# KiCad board PCMTestBoard.kicad_pcb (continued)
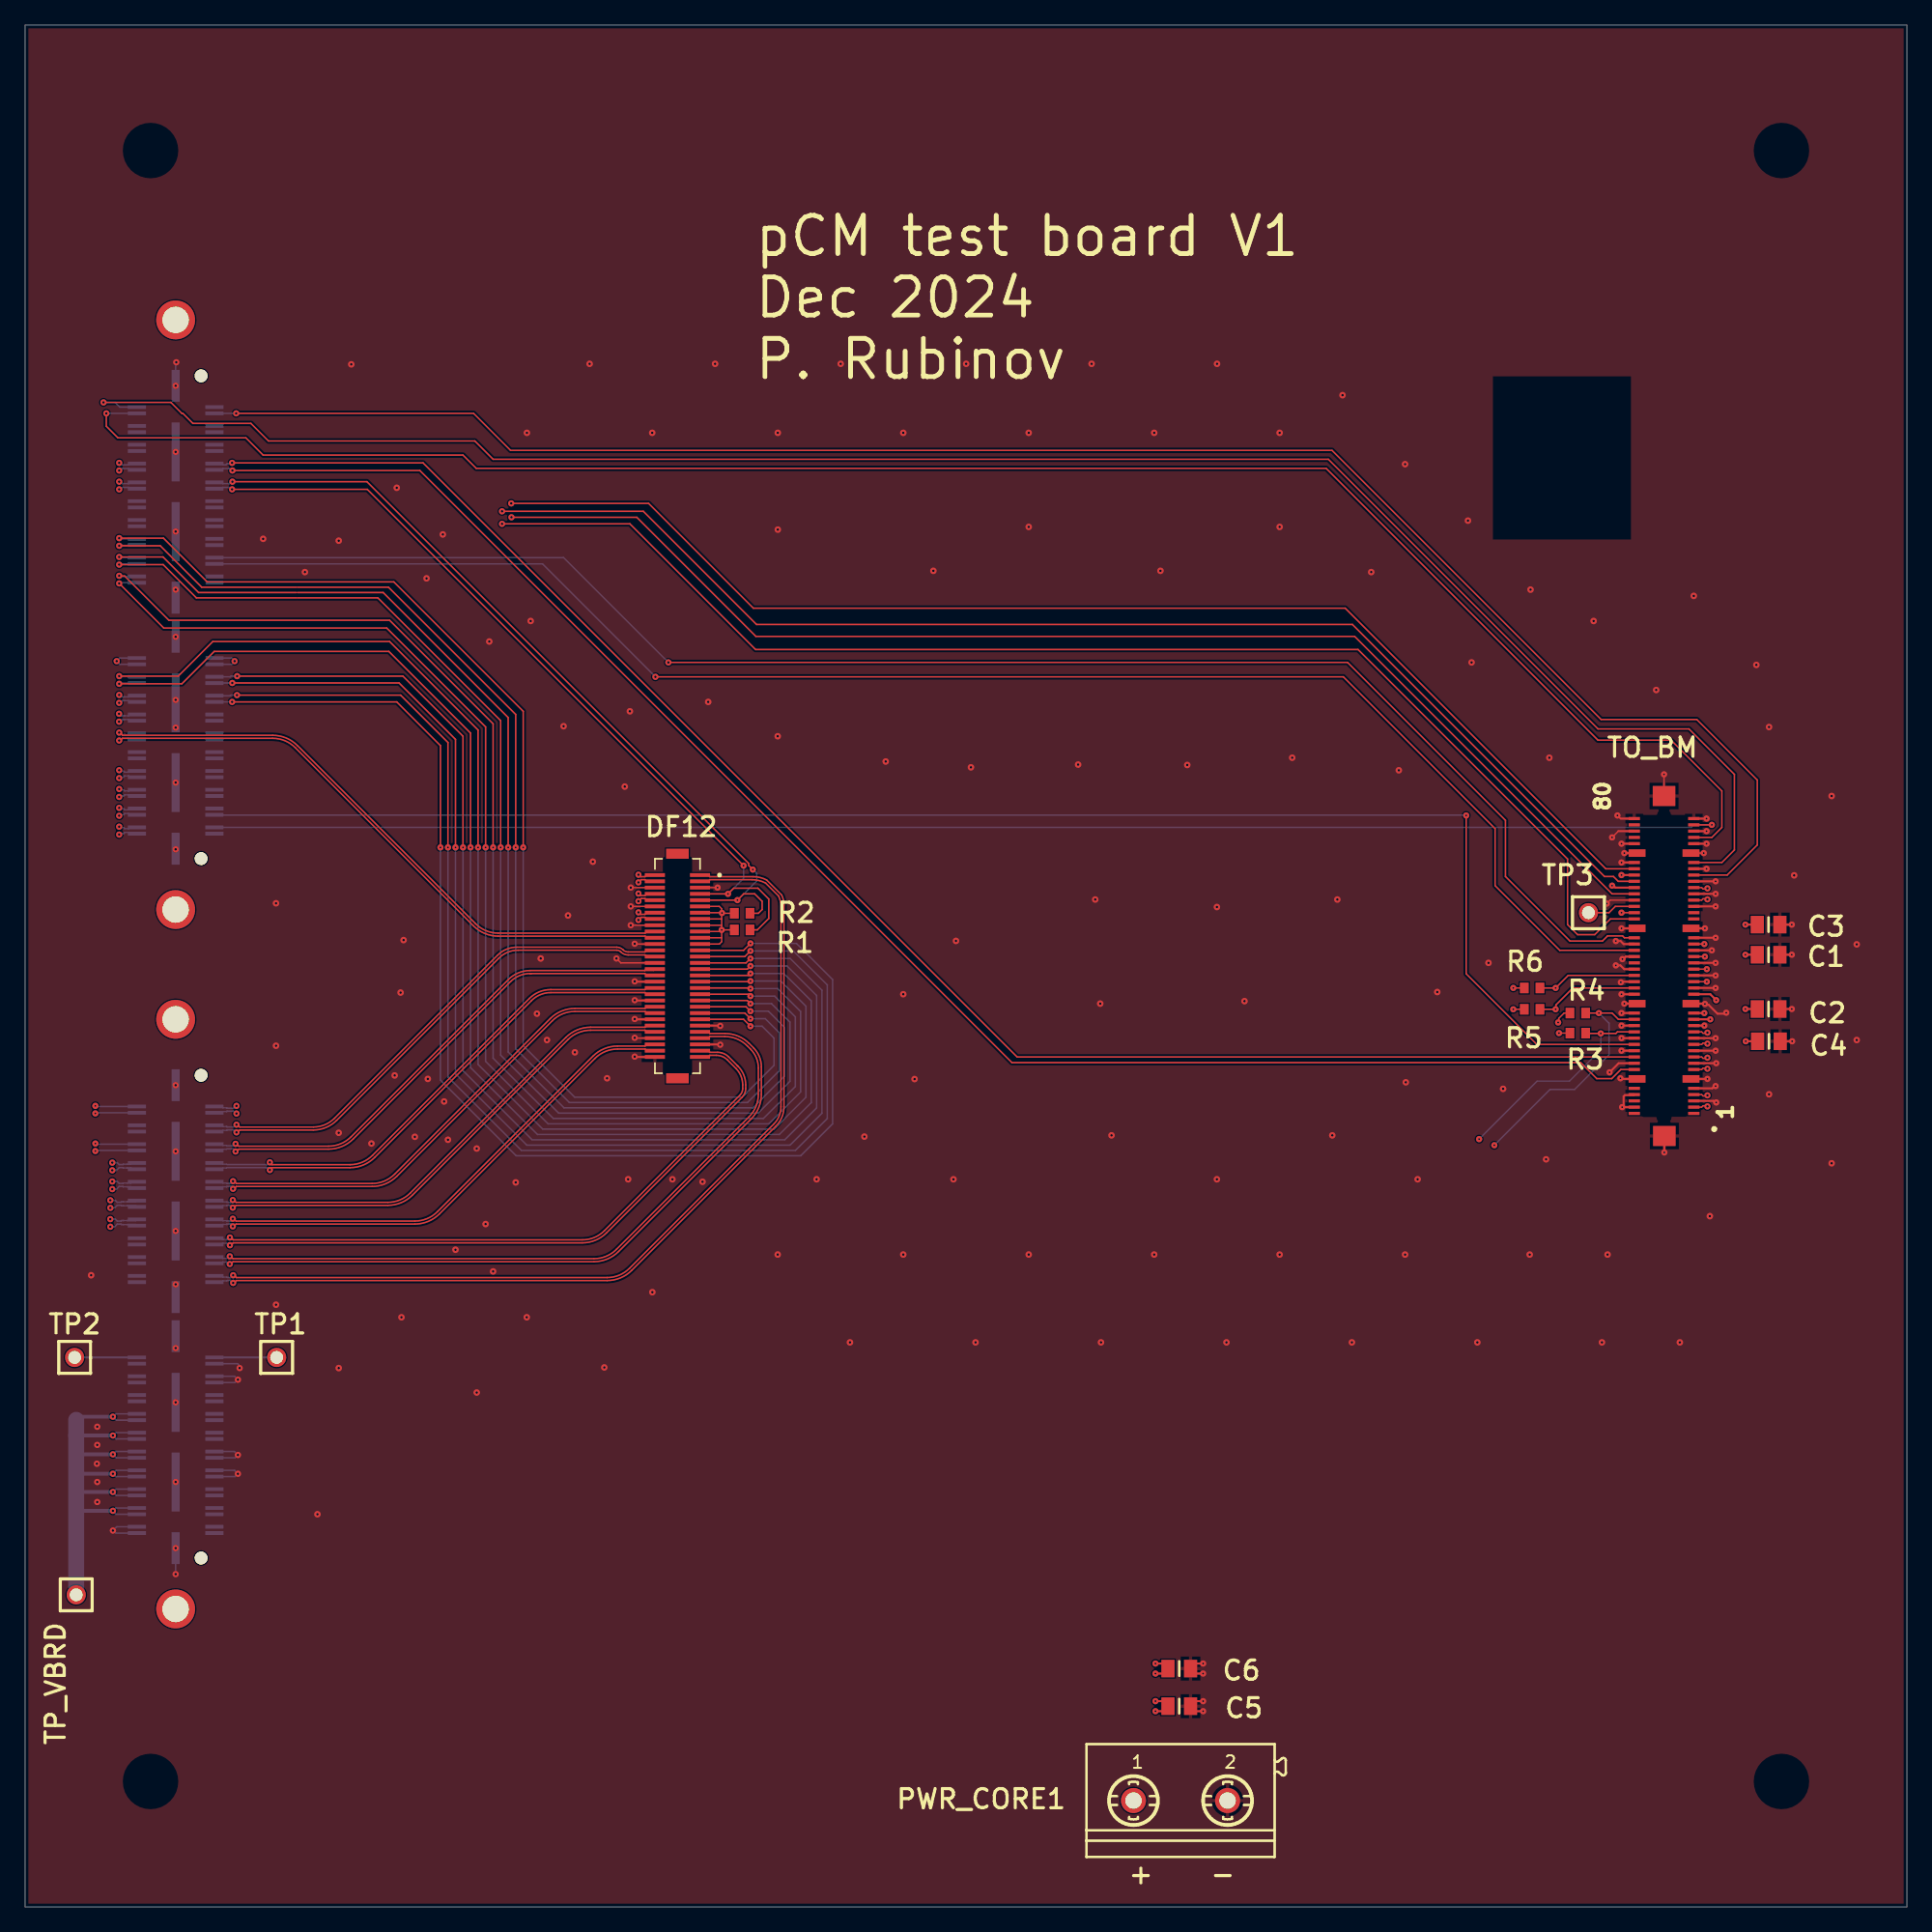
[diagram p0: board, top side]
## Routing (per net, layer and track width the routed paths; a pad name or vN(x,y) marks a point on that pad's centre or on a via; arc(x,y) is an arc through that point) (continued)
  Bottom Layer w0.12: v1(7.49,94.48) 7.59,94.48 7.76,94.65 NT_12_P.2
ECON_T_TRIG_OUT_1_1_N: length 121.7
  Top Layer1 w0.11: TO_BM.23 133.64,69.75 133.75,69.64 134.05,69.64 v1(134.1,69.69)
  Layer3_sig w0.101: 131.08,69.04 131.17,69.13 arc(131.47,69.33) 131.83,69.4 132.21,69.4 133.4,69.4 arc(133.78,69.48) v1(134.1,69.69) ; 131.08,69.04 126.16,64.12 arc(125.69,63.81) 125.13,63.7 125.12,63.71 17.2,63.71
  Layer3_sig w0.12: 17.2,63.71 arc(17.11,63.72) 17.03,63.78 arc(16.95,63.83) v1(16.85,63.85)
  Bottom Layer w0.12: NT_18_N.1 16.09,63.67 16.61,63.67 16.79,63.85 v1(16.85,63.85)
ECON_T_TRIG_OUT_1_1_P: length 121.6
  Top Layer1 w0.11: TO_BM.19 133.64,68.75 133.75,68.86 134.05,68.86 v1(134.1,68.81)
  Layer3_sig w0.101: 17.2,63.39 125.12,63.39 125.13,63.39 125.18,63.39 arc(125.81,63.52) 126.33,63.87 131.2,68.74 ; 131.2,68.74 131.29,68.83 arc(131.59,69.03) 131.95,69.1 132.34,69.1 132.34,69.1 133.22,69.1 133.4,69.1 arc(133.78,69.02) v1(134.1,68.81)
  Layer3_sig w0.12: 17.2,63.39 arc(17.11,63.37) 17.03,63.31 arc(16.95,63.26) v1(16.85,63.24)
  Bottom Layer w0.12: NT_18_P.1 16.09,63.43 16.61,63.43 16.8,63.24 v1(16.85,63.24)
FCMD_IN_1_N: length 132.2
  Top Layer1 w0.12: TO_BM.47 v2(133.85,76.75)
  Layer3_sig w0.12: v2(133.85,76.75) 133.85,76.73 133.58,76.45 122.15,76.45 arc(121.18,76.64) 120.36,77.19 110.94,86.61 arc(110.01,87.23) 108.92,87.45 7.87,87.45 arc(7.77,87.47) 7.68,87.53 arc(7.59,87.59) v1(7.5,87.6)
  Bottom Layer w0.12: 7.94,87.46 7.87,87.53 7.68,87.53 arc(7.58,87.55) v1(7.5,87.6)
FCMD_IN_1_P: length 132.3
  Top Layer1 w0.12: TO_BM.43 v2(133.9,75.75)
  Layer3_sig w0.12: v2(133.9,75.75) 133.88,75.75 133.5,76.13 122.15,76.13 arc(121.06,76.35) 120.13,76.97 110.71,86.39 arc(109.89,86.94) 108.92,87.13 7.87,87.13 arc(7.77,87.11) 7.68,87.05 arc(7.6,86.99) v1(7.5,86.98)
  Bottom Layer w0.12: 7.94,87.14 7.85,87.05 7.68,87.05 arc(7.58,87.03) v1(7.5,86.98)
HS_01_1_N: length 0.7
  Bottom Layer w0.12: NT_01_N.1 8.33,86.05 J_EXTEND.4
HS_01_1_P: length 0.7
  Bottom Layer w0.12: J_EXTEND.2 8.33,85.55 NT_01_P.1
HS_02_1_N: length 0.7
  Bottom Layer w0.12: NT_02_N.1 8.33,87.55 J_EXTEND.8
HS_02_1_P: length 0.7
  Bottom Layer w0.12: J_EXTEND.6 8.33,87.05 NT_02_P.1
HS_05_1_N: length 0.7
  Bottom Layer w0.12: 8.24,88.95 8.33,89.05 J_EXTEND.12
HS_05_1_P: length 0.7
  Bottom Layer w0.12: 8.24,88.65 8.33,88.55 J_EXTEND.10
HS_07_1_N: length 0.8
  Bottom Layer w0.12: J_COMPAT.64 8.52,57.8 8.43,57.71 8.43,57.7 NT_07_N.1
HS_07_1_P: length 0.8
  Bottom Layer w0.12: NT_07_P.1 8.43,57.4 8.43,57.39 8.52,57.3 J_COMPAT.62
HS_10_1_N: length 0.7
  Bottom Layer w0.12: J_EXTEND.16 8.33,90.55 NT_10_N.1
HS_10_1_P: length 0.7
  Bottom Layer w0.12: NT_10_P.1 8.33,90.05 J_EXTEND.14
HS_11_1_N: length 0.7
  Bottom Layer w0.12: NT_11_N.1 8.33,93.55 J_EXTEND.24
HS_11_1_P: length 0.7
  Bottom Layer w0.12: NT_11_P.1 8.33,93.05 J_EXTEND.22
HS_12_1_N: length 0.7
  Bottom Layer w0.12: J_EXTEND.28 8.33,95.05 8.24,94.95
HS_12_1_P: length 0.7
  Bottom Layer w0.12: 8.24,94.65 8.33,94.55 J_EXTEND.26
HS_14_1_N: length 0.7
  Bottom Layer w0.12: J_EXTEND.32 8.33,96.55 NT_14_N.1
HS_14_1_P: length 0.7
  Bottom Layer w0.12: NT_14_P.1 8.33,96.05 J_EXTEND.30
HS_21_1_N: length 0.8
  Bottom Layer w0.12: J_COMPAT.68 8.52,59.3 8.43,59.21 8.43,59.2 NT_21_N.1
HS_21_1_P: length 0.8
  Bottom Layer w0.12: NT_21_P.1 8.43,58.9 8.43,58.89 8.52,58.8 J_COMPAT.66
HS_22_1_N: length 0.8
  Bottom Layer w0.12: NT_22_N.1 8.82,56.21 J_COMPAT.60
HS_22_1_P: length 0.8
  Bottom Layer w0.12: J_COMPAT.58 8.82,55.89 NT_22_P.1
HS_24_1_N: length 0.7
  Bottom Layer w0.12: J_COMPAT.51 15.66,53.3 15.76,53.2
HS_24_1_P: length 0.7
  Bottom Layer w0.12: J_COMPAT.49 15.66,52.8 15.76,52.9
HS_27_1_N: length 0.7
  Bottom Layer w0.12: J_COMPAT.47 15.66,51.8 NT_27_N.2
HS_27_1_P: length 0.7
  Bottom Layer w0.12: J_COMPAT.45 15.66,51.3 NT_27_P.2
HS_28_1_N: length 0.8
  Bottom Layer w0.12: J_COMPAT.56 8.82,54.71 NT_28_N.1
HS_28_1_P: length 0.8
  Bottom Layer w0.12: J_COMPAT.54 8.82,54.39 NT_28_P.1
LOOP_BACK_1_N: length 56.2
  Layer8_sig w0.12: 6.8,56.2 9.2,56.2 arc(9.94,56.35) 10.56,56.76 12.51,58.72 arc(13.13,59.13) 13.85,59.27 15.88,59.27 arc(16.58,59.13) 17.19,58.73 23.53,52.38 arc(24.06,51.59) 24.25,50.65 24.25,50.52 arc(24.08,49.71) 23.62,49.02 22.03,47.42 arc(21.2,46.87) 20.23,46.68 6.66,46.68 arc(5.91,46.83) 5.27,47.26 3.44,49.09 arc(3.1,49.59) 2.98,50.19 2.98,50.94 arc(3.1,51.53) 3.44,52.04 5.91,54.51 arc(6.09,54.64) 6.31,54.68 6.55,54.68 6.69,54.82 v1(6.79,54.82)
  Bottom Layer w0.12: NT_28_N.2 7.69,54.71 7.65,54.67 7.35,54.67 7.19,54.82 6.8,54.82 ; NT_22_N.2 7.69,56.21 7.65,56.17 7.35,56.17 7.19,56.32 v1(6.8,56.32)
LOOP_BACK_1_P: length 54.3
  Layer8_sig w0.12: v1(6.8,55.72) 6.96,55.88 9.2,55.88 arc(10.06,56.05) 10.79,56.54 12.74,58.49 arc(13.25,58.83) 13.85,58.95 15.88,58.95 arc(16.46,58.83) 16.96,58.5 23.3,52.16 arc(23.76,51.47) 23.93,50.65 arc(23.76,49.84) 23.3,49.15 21.8,47.65 arc(21.08,47.17) 20.23,47 6.8,47 arc(6.04,47.15) 5.4,47.58 3.76,49.22 arc(3.42,49.73) 3.3,50.32 3.3,50.94 arc(3.39,51.41) 3.66,51.81 6.14,54.29 arc(6.22,54.34) 6.31,54.36 6.55,54.36 6.69,54.22 v1(6.8,54.22)
  Bottom Layer w0.12: NT_22_P.2 7.68,55.89 7.64,55.93 7.35,55.93 7.13,55.72 v1(6.8,55.72) ; NT_28_P.2 7.68,54.39 7.64,54.43 7.35,54.43 7.13,54.22 6.8,54.22
MGND_1: length 120.9
  Top Layer1 w0.12: TO_BM.77 v2(134.45,86.25)
  Bottom Layer w0.12: v2(134.45,86.25) TO_BM.77 132.81,86.05 J_EXTEND.3
S1_CLK320_1_N: length 40.2
  Top Layer1 w0.12: DF12.46 49.55,71.25 49.42,71.38 43.82,71.38 arc(42.85,71.19) 42.03,70.64 29.63,58.24 arc(28.73,57.64) 27.66,57.43 16.84,57.43 16.65,57.24 v1(16.58,57.24)
  Bottom Layer w0.12: 16.35,57.43 16.61,57.43 ; 16.35,57.43 16.37,57.43 16.56,57.24 v1(16.58,57.24) ; 16.35,57.43 16.09,57.43 NT_06_P.1
S1_CLK320_1_P: length 40.2
  Top Layer1 w0.12: DF12.44 49.55,71.75 49.42,71.62 43.82,71.62 arc(42.76,71.41) 41.86,70.81 29.46,58.41 arc(28.63,57.86) 27.66,57.67 16.84,57.67 16.65,57.85 v1(16.58,57.85)
  Bottom Layer w0.12: NT_06_N.1 16.09,57.67 16.35,57.67 ; 16.35,57.67 16.61,57.67 ; 16.35,57.67 16.38,57.67 16.56,57.85 v1(16.58,57.85)
S1_DAQ_X0_1_N: length 40.1
  Top Layer1 w0.12: DF12.58 49.55,68.25 49.42,68.38 47.22,68.38 arc(46.25,68.19) 45.43,67.64 33.03,55.24 arc(32.13,54.64) 31.07,54.43 16.82,54.43 16.63,54.25 v1(16.56,54.25)
  Bottom Layer w0.12: v1(16.56,54.25) 16.54,54.25 16.35,54.44 16.34,54.44 ; 16.08,54.44 16.34,54.44 ; 16.34,54.44 16.6,54.44
S1_DAQ_X0_1_P: length 40.1
  Top Layer1 w0.12: DF12.56 49.55,68.75 49.42,68.62 47.22,68.62 arc(46.16,68.41) 45.26,67.81 32.86,55.41 arc(32.04,54.86) 31.07,54.67 16.82,54.67 16.63,54.85 v1(16.56,54.85)
  Bottom Layer w0.12: v1(16.56,54.85) 16.54,54.85 16.36,54.68 16.34,54.68 ; 16.34,54.68 16.08,54.68 ; 16.34,54.68 16.6,54.68
S1_DAQ_X1_1_N: length 40.1
  Top Layer1 w0.12: DF12.38 49.55,73.25 49.42,73.12 41.9,73.12 arc(40.98,72.94) 40.2,72.42 27.69,59.91 arc(26.87,59.36) 25.9,59.17 19.7,59.17 arc(19.56,59.22) v1(19.51,59.35)
  Bottom Layer w0.12: 19.37,59.17 19.25,59.17 19.43,59.35 v1(19.51,59.35) ; 16.09,59.17 19.28,59.17
S1_DAQ_X1_1_P: length 40.1
  Top Layer1 w0.12: DF12.40 49.55,72.75 49.42,72.88 41.9,72.88 arc(41.07,72.72) 40.37,72.25 27.86,59.74 arc(26.96,59.14) 25.9,58.93 19.69,58.93 arc(19.56,58.87) v1(19.51,58.74)
  Bottom Layer w0.12: 19.37,58.93 19.24,58.93 19.43,58.74 v1(19.51,58.74) ; 16.09,58.93 19.28,58.93
S1_ERR_1: length 100.5
  Top Layer1 w0.12: v2(38.51,84.45) 38.51,94.81 28.54,104.77 21.7,104.77 ; DF12.43 57.47,71.75 v2(57.82,71.4) ; v1(7.5,107.6) 11,107.6 13.83,104.77 21.61,104.77
  Bottom Layer w0.12: J_EXTEND.48 7.55,107.55 v1(7.5,107.6) ; v2(38.51,84.45) 38.51,68.15 42.96,63.69 58.01,63.69 60.55,66.24 60.55,70.1 59.25,71.4 v2(57.82,71.4)
S1_FCMD_1_N: length 40.1
  Top Layer1 w0.12: DF12.52 49.55,69.75 49.42,69.88 45.07,69.88 arc(44.1,69.69) 43.28,69.14 30.87,56.73 arc(29.97,56.13) 28.91,55.92 16.82,55.92 16.63,55.74 v1(16.56,55.74)
  Bottom Layer w0.12: 16.34,55.93 16.6,55.93 ; 16.34,55.93 16.35,55.93 16.54,55.74 v1(16.56,55.74) ; 16.34,55.93 16.08,55.93
S1_FCMD_1_P: length 40.1
  Top Layer1 w0.12: DF12.50 49.55,70.25 49.42,70.12 45.07,70.12 arc(44.01,69.91) 43.11,69.31 30.7,56.9 arc(29.88,56.35) 28.91,56.16 16.82,56.16 16.63,56.34 v1(16.56,56.34)
  Bottom Layer w0.12: 16.08,56.17 16.34,56.17 ; 16.34,56.17 16.6,56.17 ; 16.34,56.17 16.36,56.17 16.54,56.34 v1(16.56,56.34)
S1_TRIG_0_1_N: length 52.2
  Top Layer1 w0.12: 56.78,67.06 56.82,67.01 ; 56.78,67.06 56.08,67.75 arc(55.68,68.02) 55.2,68.12 54.58,68.12 54.45,68.25 DF12.57 ; 56.78,67.06 56.82,67.01 arc(57.28,66.33) 57.44,65.53 57.44,65.23 arc(57.37,64.86) 57.16,64.54 46.34,53.73 arc(45.46,53.14) 44.43,52.93 16.59,52.93 16.4,52.75 v1(16.33,52.75)
  Bottom Layer w0.12: NT_24_P.1 16.23,52.75 v1(16.33,52.75)
S1_TRIG_0_1_P: length 51.3
  Top Layer1 w0.12: v1(16.33,53.36) 16.4,53.36 16.59,53.17 44.43,53.17 arc(45.37,53.36) 46.17,53.9 56.99,64.71 arc(57.14,64.95) 57.2,65.23 57.2,65.53 arc(57.06,66.24) 56.65,66.84 55.98,67.51 arc(55.58,67.78) 55.1,67.88 54.58,67.88 54.45,67.75 DF12.59
  Bottom Layer w0.12: v1(16.33,53.36) 16.23,53.36 16.08,53.21
S1_TRIG_1_1_N: length 57.3
  Top Layer1 w0.12: v1(16.31,51.24) 16.39,51.24 16.58,51.43 45.34,51.43 arc(46.41,51.64) 47.31,52.24 57.88,62.81 arc(58.48,63.71) 58.69,64.78 58.69,66.96 arc(58.53,67.78) 58.06,68.48 57.71,68.83 arc(56.83,69.41) 55.8,69.62 54.58,69.62 54.45,69.75 DF12.51
  Bottom Layer w0.12: v1(16.31,51.24) 16.22,51.24 NT_27_P.1
S1_TRIG_1_1_P: length 56.5
  Top Layer1 w0.12: v1(16.31,51.85) 16.39,51.85 16.58,51.67 45.34,51.67 arc(46.31,51.86) 47.14,52.41 57.71,62.98 arc(58.26,63.81) 58.45,64.78 58.45,66.86 arc(58.29,67.68) 57.82,68.38 57.56,68.64 arc(56.74,69.19) 55.77,69.38 54.58,69.38 54.45,69.25 DF12.53
  Bottom Layer w0.12: NT_27_N.1 16.22,51.85 v1(16.31,51.85)
S1_TRIG_2_1_N: length 39.8
  Top Layer1 w0.12: DF12.32 50.11,74.66 49.41,74.66 49.39,74.64 40.26,74.64 arc(39.32,74.45) 38.52,73.92 25.98,61.38 arc(25.16,60.83) 24.19,60.64 17.04,60.64 16.85,60.83 v1(16.78,60.83)
  Bottom Layer w0.12: 16.09,60.67 16.61,60.67 ; 16.7,60.75 v1(16.78,60.83)
S1_TRIG_2_1_P: length 39.9
  Top Layer1 w0.12: 40.26,74.4 40.36,74.4 ; 40.26,74.4 40.36,74.4 ; 40.26,74.4 arc(39.41,74.23) 38.69,73.75 26.15,61.21 arc(25.25,60.61) 24.19,60.4 17.04,60.4 16.85,60.22 v1(16.78,60.22) ; 40.36,74.4 49.4,74.4 49.55,74.25 DF12.34
  Bottom Layer w0.12: 16.67,60.22 v1(16.78,60.22) ; 16.09,60.43 16.61,60.43
S1_TRIG_3_1_N: length 40.2
  Top Layer1 w0.12: v1(16.85,62.35) 16.93,62.35 17.11,62.17 22.97,62.17 arc(23.89,62.35) 24.67,62.87 37.67,75.87 arc(38.37,76.34) 39.19,76.5 47.16,76.5 arc(47.43,76.45) 47.65,76.3 47.66,76.29 arc(47.85,76.16) 48.07,76.12 49.42,76.12 49.55,76.25 50.17,76.25
  Bottom Layer w0.12: NT_09_N.1 16.09,62.17 16.61,62.17 16.79,62.35 v1(16.85,62.35)
S1_TRIG_3_1_P: length 40.2
  Top Layer1 w0.12: v1(16.85,61.74) 16.93,61.74 17.11,61.93 22.97,61.93 arc(23.98,62.13) 24.84,62.7 37.77,75.63 arc(38.47,76.1) 39.29,76.26 47.16,76.26 arc(47.33,76.23) 47.48,76.13 47.49,76.12 arc(47.75,75.94) 48.07,75.88 49.42,75.88 49.55,75.75 50.17,75.75
  Bottom Layer w0.12: v1(16.85,61.74) 16.8,61.74 16.61,61.93 16.09,61.93 NT_09_P.1
S2_CLK320_1_N: length 46.7
  Top Layer1 w0.12: DF12.4 49.55,81.75 49.42,81.88 49.11,81.88 v1(48.89,81.67)
  Layer8_sig w0.12: v1(48.89,81.67) 48.79,81.67 48.64,81.81 30.85,81.81 arc(29.76,82.03) 28.83,82.65 22.08,89.4 arc(21.25,89.95) 20.28,90.14 7.75,90.14 7.6,90 7.5,90
  Bottom Layer w0.12: NT_10_P.2 7.83,90.05 7.68,90.05 arc(7.58,90.03) v1(7.5,89.98)
S2_CLK320_1_P: length 46.6
  Top Layer1 w0.12: DF12.2 49.55,82.25 49.42,82.12 49.07,82.12 48.92,82.27
  Layer8_sig w0.12: v1(7.5,90.6) 7.6,90.6 7.75,90.46 20.28,90.46 arc(21.38,90.24) 22.31,89.62 29.05,82.87 arc(29.88,82.32) 30.85,82.13 48.64,82.13 48.79,82.27 v1(48.89,82.27)
  Bottom Layer w0.12: NT_10_N.2 7.85,90.53 7.68,90.53 arc(7.58,90.55) v1(7.5,90.6)
S2_DAQ_X0_1_N: length 71.4
  Top Layer1 w0.12: DF12.16 49.55,78.75 49.42,78.88 49.11,78.88 v1(48.89,78.67)
  Layer3_sig w0.12: v1(6.95,57.22) 6.85,57.22 6.7,57.36 4.99,57.36 arc(4.54,57.45) 4.16,57.7 4.04,57.82 arc(3.74,58.28) 3.63,58.82 3.63,70.15 arc(3.85,71.24) 4.47,72.17 6.5,74.21 arc(7.43,74.83) 8.53,75.04 48.67,75.05 arc(48.73,75.05) 48.8,75.05 ; v1(48.89,78.67) arc(48.99,78.68) 49.07,78.74 arc(49.15,78.79) 49.24,78.81 49.41,78.81 arc(49.66,78.76) 49.88,78.62 50.05,78.45 arc(50.34,78.01) 50.44,77.49 50.44,76.69 arc(49.96,75.53) 48.8,75.05
  Bottom Layer w0.12: 6.95,57.22 7.29,57.22 7.5,57.43 7.8,57.43 NT_07_P.2
S2_DAQ_X0_1_P: length 71.4
  Top Layer1 w0.12: DF12.14 49.55,79.25 49.42,79.12 49.07,79.12 48.92,79.27
  Layer3_sig w0.12: v1(6.95,57.83) 6.85,57.83 6.7,57.68 5.12,57.68 arc(4.67,57.77) 4.29,58.02 arc(4.04,58.4) 3.95,58.85 3.95,70.15 arc(4.14,71.12) 4.69,71.94 6.73,73.98 arc(7.56,74.53) 8.53,74.73 48.67,74.73 arc(48.88,74.73) 49.09,74.76 arc(50.17,75.15) 50.74,76.15 50.74,77.86 arc(50.74,77.87) 50.74,77.88 arc(50.6,78.26) 50.37,78.58 50.05,78.89 arc(49.79,79.07) 49.48,79.13 49.24,79.13 arc(49.15,79.15) 49.07,79.2 arc(48.99,79.26) v1(48.89,79.27)
  Bottom Layer w0.12: v1(6.95,57.83) 7.35,57.83 7.5,57.67 7.8,57.67 NT_07_N.2
S2_ERR_1: length 104.4
  Top Layer1 w0.12: v2(57.82,76.8) 57.27,76.25 DF12.25 ; v2(33.11,84.45) 33.11,92.57 29.63,96.05 v1(16.5,96.05)
  Bottom Layer w0.12: v2(57.82,76.8) 61.48,76.8 64.37,73.92 64.37,62.42 61.82,59.88 39.14,59.88 33.11,65.91 v2(33.11,84.45) ; J_EXTEND.29 v1(16.5,96.05)
S2_FCMD_1_N: length 46.7
  Top Layer1 w0.12: DF12.10 49.55,80.25 49.42,80.38 49.11,80.38 v1(48.89,80.17)
  Layer8_sig w0.12: 7.5,88.5 7.6,88.5 7.75,88.64 19.21,88.64 arc(20.18,88.45) 21,87.9 27.61,81.29 arc(28.54,80.67) 29.63,80.45 48.6,80.45 v1(48.89,80.17)
  Bottom Layer w0.12: NT_05_P.2 7.85,88.55 7.68,88.55 arc(7.58,88.53) v1(7.5,88.48)
S2_FCMD_1_P: length 46.5
  Top Layer1 w0.12: DF12.8 49.55,80.75 49.42,80.62 49.07,80.62 48.92,80.77
  Layer8_sig w0.12: v1(7.5,89.1) 7.6,89.1 7.75,88.96 19.21,88.96 arc(20.3,88.74) 21.23,88.12 27.83,81.52 arc(28.66,80.97) 29.63,80.77 v1(48.89,80.77)
  Bottom Layer w0.12: NT_05_N.2 7.87,89.03 7.68,89.03 arc(7.58,89.05) v1(7.5,89.1)
S2_TRIG_0_1_N: length 49.7
  Top Layer1 w0.12: v1(7.5,92.98) 7.59,92.98 7.76,93.15 19.74,93.15 arc(20.71,92.96) 21.53,92.41 35.75,78.19 arc(36.65,77.59) 37.71,77.38 49.42,77.38 49.55,77.25 ; 49.52,77.25 DF12.22
  Bottom Layer w0.12: v1(7.5,92.98) 7.6,92.98 7.77,93.15 NT_11_P.2
S2_TRIG_0_1_P: length 49.8
  Top Layer1 w0.12: 49.52,77.75 DF12.20 ; 49.55,77.75 49.42,77.62 37.71,77.62 arc(36.74,77.81) 35.92,78.36 21.7,92.58 arc(20.8,93.18) 19.74,93.39 7.77,93.39 7.57,93.6 7.57,93.6 v1(7.5,93.6)
  Bottom Layer w0.12: v1(7.5,93.6) 7.59,93.6 7.75,93.45 ; 7.6,93.45 NT_11_N.2
S2_TRIG_1_1_N: length 74.1
  Top Layer1 w0.12: DF12.3 54.45,81.75 54.58,81.88 57.95,81.88 arc(58.5,81.81) 59.03,81.61 60.06,80.58 arc(60.2,80.18) 60.25,79.75 60.25,63.78 arc(60.1,63.04) 59.68,62.41 48.18,50.91 arc(47.36,50.36) 46.39,50.16 16.85,50.16 16.66,50.35 v1(16.59,50.35)
  Bottom Layer w0.12: 16.11,50.17 16.37,50.17 ; 16.37,50.17 16.62,50.17 ; 16.37,50.17 16.39,50.17 16.57,50.35 v1(16.59,50.35)
S2_TRIG_1_1_P: length 74.9
  Top Layer1 w0.12: DF12.1 54.45,82.25 54.58,82.12 58.04,82.12 arc(58.59,82.06) 59.1,81.86 60.31,80.65 arc(60.44,80.26) 60.49,79.85 60.49,63.78 arc(60.32,62.94) 59.85,62.24 48.35,50.74 arc(47.45,50.14) 46.39,49.93 16.85,49.93 16.66,49.74 v1(16.59,49.74)
  Bottom Layer w0.12: 16.37,49.93 16.38,49.93 16.57,49.74 v1(16.59,49.74) ; 16.37,49.93 16.11,49.93 ; 16.37,49.93 16.62,49.93
S3_PWR_EN_1: length 5
  Bottom Layer w0.16: TP2.1 J_COMPAT.40
S3_PWR_PG_1: length 5
  Bottom Layer w0.16: J_COMPAT.39 TP1.1
TEST_0_1_N: length 134.3
  Top Layer1 w0.11: v1(134.1,81.19) 134.05,81.14 133.75,81.14 133.64,81.25 TO_BM.61
  Layer3_sig w0.12: v1(7.5,96.6) arc(7.59,96.59) 7.68,96.53 arc(7.77,96.47) 7.87,96.45 8.82,96.45 arc(9.8,96.26) 10.63,95.7 arc(11.32,95.24) 12.14,95.08 21.34,95.08 arc(22.44,94.86) 23.37,94.24 28.51,89.09 arc(29.33,88.54) 30.3,88.35 111.14,88.35 arc(112.24,88.13) 113.17,87.51 119.02,81.65 arc(119.85,81.1) 120.82,80.91 133.42,80.91 arc(133.79,80.98) v1(134.1,81.19)
  Bottom Layer w0.12: 7.75,96.45 7.59,96.6 v1(7.5,96.6) ; 7.6,96.45 NT_14_N.2
TEST_0_1_P: length 134.1
  Top Layer1 w0.11: TO_BM.57 133.64,80.25 133.75,80.36 134.05,80.36 v1(134.1,80.31)
  Layer3_sig w0.12: v1(134.1,80.31) arc(133.79,80.52) 133.42,80.59 120.82,80.59 arc(119.73,80.81) 118.8,81.43 112.94,87.29 arc(112.11,87.84) 111.14,88.03 30.3,88.03 arc(29.21,88.25) 28.28,88.87 23.14,94.01 arc(22.31,94.56) 21.34,94.76 12.14,94.76 arc(11.2,94.94) 10.4,95.48 arc(9.67,95.96) 8.82,96.13 7.87,96.13 arc(7.77,96.11) 7.68,96.05 arc(7.6,95.99) v1(7.5,95.98)
  Bottom Layer w0.12: NT_14_P.2 7.77,96.15 7.6,95.98 v1(7.5,95.98)
TEST_IO_1: length 3.9
  Top Layer1 w0.12: TO_BM.56 126.75,79.75 126.25,79.25 TP3.1
VADJ_1: length 3.4
  Bottom Layer w0.12: J_EXTEND.37 16.45,99.05 v1(16.7,99.3) 16.45,99.55 J_EXTEND.39
VBRD_1: length 55.9
  Bottom Layer w0.12: J_COMPAT.26 7.28,38.8 v1(7,39.08) 7.01,39.08 7.24,39.3 8.89,39.3 ; J_COMPAT.22 7.28,37.3 v1(7,37.58) 7.01,37.58 7.24,37.8 8.89,37.8 ; 9.01,31.3 7.24,31.3 6.96,31.58 ; J_COMPAT.10 7.28,32.8 v1(7,33.08) 7.01,33.08 7.24,33.3 8.89,33.3 ; v1(7,31.58) 7.01,31.58 7.24,31.8 8.99,31.8 ; 8.89,36.3 7.24,36.3 7.01,36.08 v1(7,36.08) 7.28,35.8 J_COMPAT.18 ; J_COMPAT.14 7.24,34.3 7.01,34.52 v1(7,34.52) 7.28,34.8 8.89,34.8
  Bottom Layer w0.305: 4.08,38.83 4.33,39.08 v1(7,39.08) ; 4.08,31.58 v1(7,31.58) ; 4.08,37.58 v1(7,37.58) ; 4.08,36.08 v1(7,36.08) ; 4.08,33.08 v1(7,33.08) ; 4.08,34.52 v1(7,34.52)
  Bottom Layer w1.27: TP_VBRD.1 4.08,38.83
